# Altium PCB fullCURRENT smarts.PcbDoc (part 1 of 2) (continued)
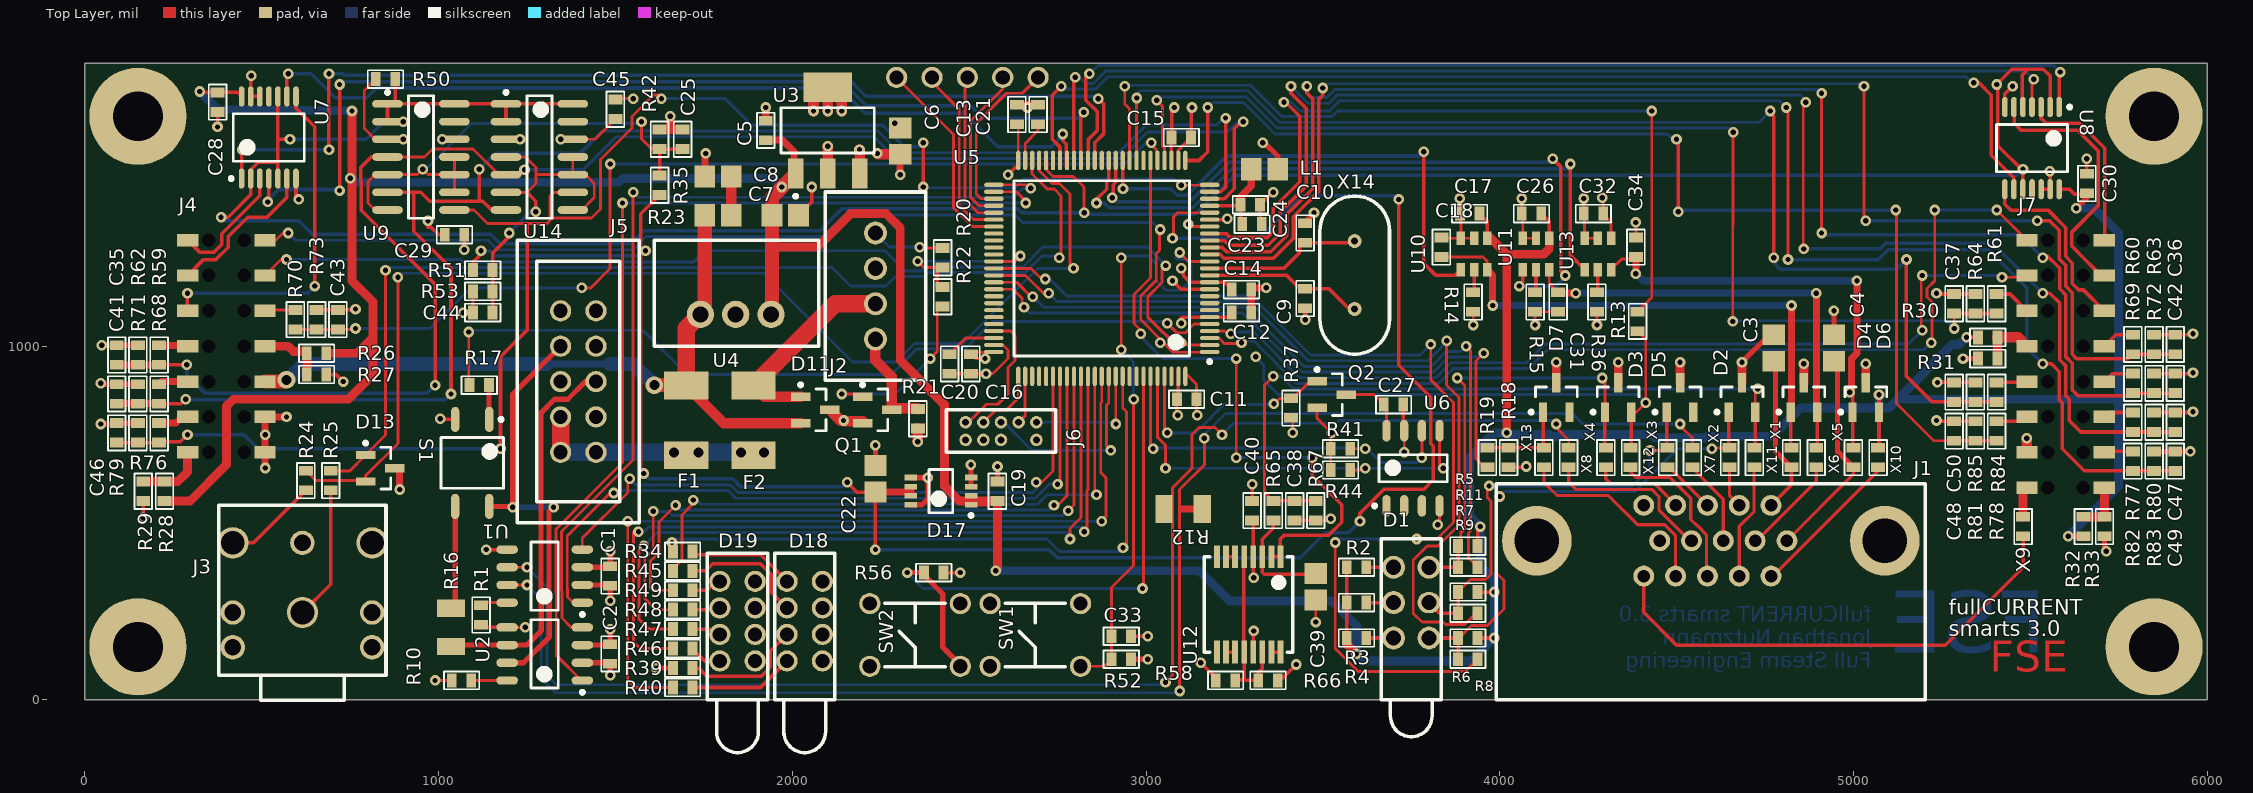
[diagram p0: Top Layer view]
## Components (designator, comment, footprint, x,y, rotation, side; value= is the part's Value field where it differs from the comment) (continued)
U4 "R-785.0-0.5" SIP3 1740,1090 r0 top
U5 "STM32F405VGT6" STM32F405VG 2875,1220 r180 top locked
U6 "MB85RC128PNF-G-JNE1" SOIC127P600X175-8N 3755,655 r90 top
U7 "74LVC08AT14-13" TSSOP-14-DIODES 520,1590 r90 top
U8 "74LVC08AT14-13" TSSOP-14-DIODES 5505,1560 r270 top
U9 "LM339" SOIC127P600X175-14N 950,1535 r0 top
U10 "NCP380HSNAJAAT1G" tsop-6 3965,1305 r180 top
U11 "NCP380HSNAJAAT1G" TSOP-6 4140,1305 r180 top
U12 "U_LTC6079CGN" SSOP-16 3380,405 r270 top
U13 "NCP380HSNAJAAT1G" TSOP-6 4315,1305 r180 top
U14 "LM339" SOIC127P600X175-14N 1285,1535 r0 top
X1 "0603" 0603_res 4825,685 r270 top
X2 "0603" 0603_res 4650,685 r270 top
X3 "0603" 0603_res 4475,685 r270 top
X4 "0603" 0603_res 4300,685 r270 top
X5 "0603" 0603_res 5000,685 r270 top
X6 "0603" 0603_res 4895,685 r270 top
X7 "0603" 0603_res 4545,685 r270 top
X8 "0603" 0603_res 4195,685 r270 top
X9 "0603" 0603_res 5480,490 r270 top
X10 "0603" 0603_res 5070,685 r270 top
X11 "0603" 0603_res 4720,685 r270 top
X12 "0603" 0603_res 4370,685 r270 top
X13 "0603" 0603_res 4125,685 r270 top
X14 "HC49" HC-49 3590,1105 r90 top

## Footprints (in the part's own frame and the unit in brackets; to place one, negate y for a bottom-side part, rotate by r counter-clockwise, add the part's x,y. Pads: shape width x height; smd on the part's side, far side on the other; paste and mask are expansions set on the pad)
4SOP-GULL [mm] "SOP, 4-Leads, Body 4.5x4.4mm (max), Pitch 2.45mm, IPC Medium Density"
  oval 1.8x0.6 smd: 1(-3.125,1.225) 2(-3.125,-1.225) 3(3.125,-1.225) 4(3.125,1.225)
  silkscreen extent -3.25,-2.25 1.83,2.25, body extent -2.2,-2.25 2.2,2.25, height 2.1
10PIN_2_.100IN [mil]
  round 60 hole 40.16: 1(0,0) 2(0,-100) 3(100,0) 4(100,-100) 5(200,0) 6(200,-100) 7(300,0) 8(300,-100) 9(400,0) 10(400,-100)
  silkscreen extent -200,-223 600,123, body extent -200,-240 600,133, height 364
0603_cap [mm]
  rect 0.7x1 smd: 1(-0.7,0) 2(0.7,0)
  silkscreen extent -1.27,-0.64 1.27,0.64, body extent -0.8,-0.4 0.8,0.4, height 0.3
0603_res [mm]
  rect 0.7x1 smd: 1(-0.7,0) 2(0.7,0)
  silkscreen extent -1.27,-0.64 1.27,0.64, body extent -0.8,-0.4 0.8,0.4, height 0.3
0805_Capacitor [mm] "0805 Capacitor"
  rect 1.5x1.6 smd: 1(-0.95,0) 2(0.95,0)
  body extent -1,-0.63 1,0.62, height 0.76
0805_Resistor [mm] "0805 Resistor"
  rect 1.5x1.6 smd: 1(-0.95,0) 2(0.95,0)
  body extent -1,-0.62 1,0.63, height 0.78
1206_Resistor [mm] "1206 Resistor/Capacitor"
  rect 1.25x2 smd: 1(-1.375,0) 2(1.375,0)
  body extent -1.6,-0.8 1.6,0.8, height 1
2410 [mm]
  rect 2x3.18 smd: 1(-2.5,0) 2(2.5,0)
0901361204 [mil]
  round 65 hole 43.31: 1(0,-150) 2(0,-50) 3(0,50) 4(0,150)
  silkscreen extent -142,-266 142,266, body extent -141,-266 142,266, height 430
CORTEX_DEBUG [mm]
  round 0.9 hole 0.5: 1(0,0) 2(0,1.27) 3(1.27,0) 4(1.27,1.27) 5(2.54,0) 6(2.54,1.27) 8(3.81,1.27) 9(5.08,0) 10(5.08,1.27)
  silkscreen extent -1.4,-0.89 6.48,2.16, body extent -0.69,-1.55 5.66,2.9, height 5.85
DB15HDF_RA [mm]
  round 5 hole 3.2: 0(0,0) 0(24.99,0)
  round 1.5 hole 0.9: 1(16.82,2.54) 2(14.535,2.54) 3(12.25,2.54) 4(9.965,2.54) 5(7.68,2.54) 6(17.962,0) 7(15.677,0) 8(13.392,0) 9(11.107,0) 10(8.822,0) 11(16.82,-2.54) 12(14.535,-2.54) 13(12.25,-2.54) 14(9.965,-2.54) 15(7.68,-2.54)
  silkscreen extent -2.91,-11.43 27.9,4.1
"DIALIGHT 564" [mil]
  round 65 hole 43: 1(0,0) 2(100,0) 4(100,-100) 5(0,-200) 6(100,-200)
  oval 65x60 hole 43: 3(0,-100)
  silkscreen extent -35,-280 135,279, body extent -35,-280 135,175, height 600
"DIALIGHT 568" [mil]
  round 60 hole 40: 1(0,0) 2(100,0) 3(0,-75) 4(100,-75) 5(0,-150) 6(100,-150) 7(0,-225) 8(100,-225)
  silkscreen extent -35,-305 135,259, body extent -35,-305 135,110, height 800
HC-49 [mm]
  round 1 hole 0.5: 1(0,0) 2(4.88,0)
  Top Layer pour cut-out: -2.591,1.499 -2.388,1.727 -2.235,1.854 -1.981,2.057 -1.727,2.184 -1.448,2.311 -1.067,2.388 -0.787,2.413 5.766,2.413 6.172,2.337 6.579,2.21 6.909,2.032 7.239,1.778 7.595,1.372 7.849,0.914 7.976,0.533 8.026,0.127 8.026,-0.178 7.95,-0.559 7.772,-0.991 7.569,-1.346 7.188,-1.778 6.858,-2.007 6.375,-2.235 6.02,-2.311 5.588,-2.362 -0.686,-2.362 -1.016,-2.337 -1.27,-2.286 -1.502,-2.216 -1.753,-2.108 -2.007,-1.981 -2.21,-1.829 -2.438,-1.6 -2.642,-1.346 -2.87,-1.016 -2.997,-0.66 -3.073,-0.279 -3.099,0.025 -3.073,0.33 -3.023,0.584 -2.946,0.889 -2.819,1.118 -2.718,1.295
  Bottom Layer pour cut-out: 7.518,1.499 7.315,1.727 7.163,1.854 6.909,2.057 6.655,2.184 6.375,2.311 5.994,2.388 5.715,2.413 -0.838,2.413 -1.245,2.337 -1.651,2.21 -1.981,2.032 -2.311,1.778 -2.667,1.372 -2.921,0.914 -3.048,0.533 -3.099,0.127 -3.099,-0.178 -3.023,-0.559 -2.845,-0.991 -2.642,-1.346 -2.261,-1.778 -1.93,-2.007 -1.448,-2.235 -1.092,-2.311 -0.66,-2.362 5.613,-2.362 5.944,-2.337 6.198,-2.286 6.43,-2.216 6.68,-2.108 6.934,-1.981 7.137,-1.829 7.366,-1.6 7.569,-1.346 7.798,-1.016 7.925,-0.66 8.001,-0.279 8.026,0.025 8.001,0.33 7.95,0.584 7.874,0.889 7.747,1.118 7.645,1.295
  silkscreen extent -3.23,-2.5 8.11,2.5, body extent -3.25,-1.78 8.1,1.87, height 3.3
HLE-107-02-X-DV [mil]
  round 30 hole 38 unplated: 0(-50,0) 0(-50,100) 0(-50,200) 0(-50,300) 0(-50,400) 0(-50,500) 0(-50,600) 0(50,0) 0(50,100) 0(50,200) 0(50,300) 0(50,400) 0(50,500) 0(50,600)
  rect 60x35 smd: 1(-109.5,600) 2(109.5,600) 3(-109.5,500) 4(109.5,500) 5(-109.5,400) 6(109.5,400) 7(-109.5,300) 8(109.5,300) 9(-109.5,200) 10(109.5,200) 11(-109.5,100) 12(109.5,100) 13(-109.5,0) 14(109.5,0)
  body extent -129,-50 131,650, height 142
HLE-108-02-X-DV [mil]
  round 30 hole 38 unplated: 0(-50,-100) 0(-50,0) 0(-50,100) 0(-50,200) 0(-50,300) 0(-50,400) 0(-50,500) 0(-50,600) 0(50,-100) 0(50,0) 0(50,100) 0(50,200) 0(50,300) 0(50,400) 0(50,500) 0(50,600)
  rect 60x35 smd: 1(-109.5,600) 2(109.5,600) 3(-109.5,500) 4(109.5,500) 5(-109.5,400) 6(109.5,400) 7(-109.5,300) 8(109.5,300) 9(-109.5,200) 10(109.5,200) 11(-109.5,100) 12(109.5,100) 13(-109.5,0) 14(109.5,0) 15(-109.5,-100) 16(109.5,-100)
  body extent -129,-50 131,650, height 142
SIP3 [mm]
  oval 1.95x1.96 hole 1.15: 1(0,0) 2(2.54,0) 3(5.08,0)
  silkscreen extent -3.3,-2.29 8.51,5.33
SJ1-3523N [mm]
  round 1.75 hole 1.2: 0(-5,2) 0(-5,4.5) 0(0,9.5) 0(5,2) 0(5,4.5)
  round 2.25 hole 1.7: GND(5,9.5) uRX(0,4.5) uTX(-5,9.5)
  silkscreen extent -6,-1.8 6,12.2
SOIC127P600X175-8N [mm] "SOIC, 8-Leads, Body 4.9x3.9mm (max), Pitch 1.27mm, IPC Medium Density"
  oval 1.55x0.6 smd: 1(-2.7,1.905) 2(-2.7,0.635) 3(-2.7,-0.635) 4(-2.7,-1.905) 5(2.7,-1.905) 6(2.7,-0.635) 7(2.7,0.635) 8(2.7,1.905)
  silkscreen extent -2.83,-2.45 0.97,2.88, body extent -3.02,-2.46 2.98,2.48, height 1.55
SOIC127P600X175-14N [mm] "SOIC, 14-Leads, Body 8.8x4.0mm (max), Pitch 1.27mm, IPC Medium Density"
  oval 2.2x0.55 smd: 1(-2.4,3.81) 2(-2.4,2.54) 3(-2.4,1.27) 4(-2.4,0) 5(-2.4,-1.27) 6(-2.4,-2.54) 7(-2.4,-3.81) 8(2.4,-3.81) 9(2.4,-2.54) 10(2.4,-1.27) 11(2.4,0) 12(2.4,1.27) 13(2.4,2.54) 14(2.4,3.81)
  silkscreen extent -2.52,-4.4 0.9,4.76, body extent -2.93,-4.28 2.87,4.27, height 1.75
SOT-23 [mm] "SOT23, 3-Leads, Body 3.0x2.7mm (max), Pitch 0.95mm, IPC Medium Density"
  rect 1.4x0.6 smd: 1(-1.05,0.95) 2(-1.05,-0.95) 3(1.05,0)
  silkscreen extent -1.17,-1.5 0.76,1.92, body extent -1.21,-1.1 0.99,1.1, height 1.1
SOT-223 [mm] "SOT-223/SC-73; 4 Leads; Body 6.7 x 7.3 mm, inc. leads (LxW max)"
  rect 1.1x2.15 smd: 1(-2.3,-3.1) 2(0,-3.1) 3(2.3,-3.1)
  rect 3.5x2.15 smd: 4(0,3.1)
  silkscreen extent -3.35,-4.85 3.35,1.63, body extent -3.25,-3.48 3.25,3.48, height 1.65
SSOP-16 [mm] "SSOP - 16 Pin"
  rect 1.63x0.42 smd: 1(0,0) 2(0,-0.65) 3(0,-1.3) 4(0,-1.95) 5(0,-2.6) 6(0,-3.25) 7(0,-3.9) 8(0,-4.55) 9(6.85,-4.55) 10(6.85,-3.9) 11(6.85,-3.25) 12(6.85,-2.6) 13(6.85,-1.95) 14(6.85,-1.3) 15(6.85,-0.65) 16(6.85,0)
  silkscreen extent 0,-5.46 6.86,0.89
STM32F405VG [mm] "TSQFP, 100-Leads, Body 16.2x16.2mm (max), Pitch 0.50mm, IPC Medium Density"
  oval 1.4x0.3 smd: 1(-7.75,6) 2(-7.75,5.5) 3(-7.75,5) 4(-7.75,4.5) 5(-7.75,4) 6(-7.75,3.5) 7(-7.75,3) 8(-7.75,2.5) 9(-7.75,2) 10(-7.75,1.5) 11(-7.75,1) 12(-7.75,0.5) 13(-7.75,0) 14(-7.75,-0.5) 15(-7.75,-1) 16(-7.75,-1.5) 17(-7.75,-2) 18(-7.75,-2.5) 19(-7.75,-3) 20(-7.75,-3.5) 21(-7.75,-4) 22(-7.75,-4.5) 23(-7.75,-5) 24(-7.75,-5.5) 25(-7.75,-6) 51(7.75,-6) 52(7.75,-5.5) 53(7.75,-5) 54(7.75,-4.5) 55(7.75,-4) 56(7.75,-3.5) 57(7.75,-3) 58(7.75,-2.5) 59(7.75,-2) 60(7.75,-1.5) 61(7.75,-1) 62(7.75,-0.5) 63(7.75,0) 64(7.75,0.5) 65(7.75,1) 66(7.75,1.5) 67(7.75,2) 68(7.75,2.5) 69(7.75,3) 70(7.75,3.5) 71(7.75,4) 72(7.75,4.5) 73(7.75,5) 74(7.75,5.5) 75(7.75,6)
  oval 0.3x1.4 smd: 26(-6,-7.75) 27(-5.5,-7.75) 28(-5,-7.75) 29(-4.5,-7.75) 30(-4,-7.75) 31(-3.5,-7.75) 32(-3,-7.75) 33(-2.5,-7.75) 34(-2,-7.75) 35(-1.5,-7.75) 36(-1,-7.75) 37(-0.5,-7.75) 38(0,-7.75) 39(0.5,-7.75) 40(1,-7.75) 41(1.5,-7.75) 42(2,-7.75) 43(2.5,-7.75) 44(3,-7.75) 45(3.5,-7.75) 46(4,-7.75) 47(4.5,-7.75) 48(5,-7.75) 49(5.5,-7.75) 50(6,-7.75) 76(6,7.75) 77(5.5,7.75) 78(5,7.75) 79(4.5,7.75) 80(4,7.75) 81(3.5,7.75) 82(3,7.75) 83(2.5,7.75) 84(2,7.75) 85(1.5,7.75) 86(1,7.75) 87(0.5,7.75) 88(0,7.75) 89(-0.5,7.75) 90(-1,7.75) 91(-1.5,7.75) 92(-2,7.75) 93(-2.5,7.75) 94(-3,7.75) 95(-3.5,7.75) 96(-4,7.75) 97(-4.5,7.75) 98(-5,7.75) 99(-5.5,7.75) 100(-6,7.75)
  silkscreen extent -7.88,-6.3 6.3,6.82, body extent -7,-7 7,7, height 1.6
TACT_SWITCH_6x6 [mil]
  round 60 hole 40: 1(0,0) 2(177.17,255.91) 3(177.17,0) 4(0,255.91)
  silkscreen extent -1,43 179,213, body extent -29,0 207,255, height 169
TSOP65P490X110-8N [mm] "TSOP, 8-Leads, Body 3.1x3.1mm (max), Pitch 0.65mm, IPC Medium Density"
  rect 0.889x0.42 smd: 1(-2.171,0.975) 2(-2.171,0.325) 3(-2.171,-0.325) 4(-2.171,-0.975) 5(2.17,-0.975) 6(2.17,-0.325) 7(2.17,0.325) 8(2.17,0.975)
  silkscreen extent -2.3,-1.55 0.85,1.86, body extent -1.55,-1.55 1.55,1.55, height 1.1
tsop-6 [mm]
  rect 0.6x0.95 smd: 1(0,0) 2(0.95,0) 3(1.9,0) 4(1.9,2.25) 5(0.95,2.25) 6(0,2.25)
TSOP-6 [mm]
  rect 0.6x0.95 smd: 1(0,0) 2(0.95,0) 3(1.9,0) 4(1.9,2.25) 5(0.95,2.25) 6(0,2.25)
TSSOP-14-DIODES [mm] "TSOP, 14-Leads, Body 5.1x4.5mm (max), Pitch 0.65mm, IPC Medium Density"
  oval 1.45x0.4 smd: 1(-2.95,1.95) 2(-2.95,1.3) 3(-2.95,0.65) 4(-2.95,0) 5(-2.95,-0.65) 6(-2.95,-1.3) 7(-2.95,-1.95) 8(2.95,-1.95) 9(2.95,-1.3) 10(2.95,-0.65) 11(2.95,0) 12(2.95,0.65) 13(2.95,1.3) 14(2.95,1.95)
  silkscreen extent -3.07,-2.55 1.7,2.82, body extent -3.2,-2.55 3.2,2.55, height 1.08

## Part data
C1 C2 C5 C17 C18 C26 C31 C32 C34: library part C_0603, "CAP CERM 0.1uF 0603 X7R"
C3 C4 C6 C7 C22: library part C_0805, "CAP CERM 0805"
C8: library part C_0805, "CAP CERM 10 uF 25V 0805"
C9 C10: library part C_0603, "CAP CER 22PF 50V 5% NPO 0603"
C11 C12 C13 C14 C15 C16 C19 C23 C25 C27 C28 C29 C30 C33 C35 C36 C37 C38 C40 C41 C42 C43 C44 C45 C46 C47 C48 C49 C50: library part C_0603, "CAP CER 0.1UF 25V X7R 0603"
C20 C21: library part C_0603, "CAP CER 2.2UF 10V 10% X7R 0603"
C24: library part C_0603, "CAP CER 1.0UF 25V 10% X7R 0603"
C39: library part C_0805, "CAP CER 10UF 10V 10% X5R 0805"
D1: "LED 3MM TRI-LEVEL HI-EFF BLUE"
D2 D3 D6 D7: library part D_TVS_5, "5.0V TVS SOT23"
D4 D5: library part D_TVS_3_3, "5.0V TVS SOT23"
D11: library part D_TVS_12V
D13: library part D_TVS_5, "3.3V TVS SOT23"
D17: library part D_LTC6655BHMS8-3.3#PBF, "IC VREF SERIES PREC 2.5V 8-MSOP"
D18: "LED 4HI 3MM GRN/YEL/GRN/YEL PCMT"
D19: "LED 4HI 3MM 5V RED PC MNT"
F1 F2: "FUSE 2410"
J1: library part J_DB15_HD_F_RA_MOTOR
J2: "4 Wire Fan Connector"
J3: "CONN JACK STEREO R/A 3PIN 3.5MM"
J4: "7 x 2 0.1\" Header"
J5: "5 x 2 0.1\" Header"
J6: "CORTEX JTAG DEBUG CONNECTOR"
J7: "8 x 2 0.1\" Header"
L1: library part L_1mH_10%, "FERRITE 0603"
Q1: "MOSFET N-CH 20V 4.1A SOT-23"
Q2: library part Q_FDN302P, "MOSFET P-CH 20V 2.4A SSOT3"
R1 R10 R37 R50 R65: library part R_0603, "RES 10K 0603 1%"
R2 R3 R4 R34 R39 R40 R45 R46 R47 R48 R49: library part R_0603, "RES 300 0603 1%"
R5 R6 R7 R8 R9 R11 R19: library part R_0603, "RES 1K 0603 1%"
R12 R16: library part R_1206, "RES 120 1206 1%"
R13 R20 R22 R24 R25 R59 R60 R61 R68 R69 R70 R76 R77 R78 R82 R84: library part R_0603, "RES 100 0603 1%"
R14 R15 R26 R27 R28 R29 R30 R31 R32 R33 R36: library part R_0603
R17: library part R_0603, "RES 220 0603 1%"
R18 R52 R56 R58 R66: library part R_0603, "RES 100K 0603 1%"
R21: library part R_0603, "RES DNP 0603 1%"
R23: "RES 1 OHM 1/8W 1% 0805 SMD"
R35 R42 R51 R53: library part R_0603, "RES DNP 0603 0.1%"
R41 R44: library part R_0603, "RES 5.1K 1% 0603"
R62 R63 R64 R71 R72 R73 R79 R80 R81 R83 R85: library part R_0603, "RES 0603 DNP"
R67: library part R_0603, "RES 8.2K 1% 0603"
S1: "SSR OCMOS FET 120MA 1CH NO 4-SOP"
SW1 SW2: "SWITCH TACTILE SPST-NO 0.05A 12V"
U1 U2: "IC 3.3V CAN TXRX 8-SOIC"
U3: "IC REG LDO 3.3V .4A SOT223"
U4: library part U_R-783.3-0.5, "IC REG 0.5A 5.0V"
U5: library part U_STM32F405VGT6, "IC MCU 32BIT 1MB FLASH 100LQFP"
U6: library part U_MB85RC16PNF-G-JNE1, "IC FRAM 128KBIT 400KHZ 8SOP"
U7 U8: library part U_74LVC08AT14-13, "IC QUAD 2-IN AND GATE 14TSSOP"
U10 U11 U13: library part U_NCP380HSNAJAAT1G, "IC CURRENT LIMIT SWITCH 6-TSOP"
U12: "IC OP AMP QUAD R-R I/O 16SSOP"
X1 X2 X3 X4 X5 X6 X7 X8 X9 X10 X11 X12 X13: library part X_0603_FERRITE, "FERRITE 0603"
X14: library part X_HC49, "CRYSTAL 8.0 MHZ 20PF"

## Free pads (board coordinates)
  round 275 hole 141: 0(150,150) 0(150,1650) 0(5850,150) 0(5850,1650)
  round 60 hole 40.16: 0(2295,1760) 0(2395,1760) 0(2495,1760) 0(2595,1760) 0(2695,1760)

## Via types
v1: diameter 30, hole 15, Top Layer to Bottom Layer, 319 vias
v2: diameter 50, hole 28, Top Layer to Bottom Layer, 6 vias

## Nets (pads, with @x,y where several pads share a name; then routed paths per layer and width w, separated by ;. In a path a pad name is that pad's centre, name@x,y a point inside that pad or via, vN(x,y) a via of type N, cw(c..) or ccw(c..) an arc to the next point about the centre after c; other vN are vias at no path point)
+2.5VREF: C22.1 D17.6 D17.7 R35.1 R51.1 U5.21 | length 5682.8
  Top Layer w8: v1(3075,1305) 3078,1308 3078,1366.18 3089.3,1377.48 U5.21@3160.43,1377.48
  Top Layer w10: R51.1@1097.44,1215 1097.44,1237.44 1120,1260 v1(1120,1270) ; v1(1580,640) 1572,640 1572,1374.44 R35.1@1625,1427.44 ; v1(2155,615) 2182.4,587.6 C22.1@2235,587.6 v1(2235,425) ; v1(3605,505) 3605,527.49 3672.51,595 3785,595 3812,622 3812,717.7 3805.19,724.51 3805.19,855.77 3715,945.96 v1(3715,1415)
  Top Layer w20: C22.1@2235,587.6 2332.4,587.6 ; D17.7@2335,585 D17.6@2335,595
  Bottom Layer w10: v1(1120,1270) 1145.47,1270 1160,1255.47 1570.47,1255.47 v1(1585,1270) ; v1(1580,640) 1595,625 1831.67,625 1853.67,603 2143,603 v1(2155,615) ; v1(2235,425) 2725.96,425 2748.96,402 3436,402 3507,473 3573,473 v1(3605,505) ; v1(3075,1305) 3320,1305 3440,1425 3705,1425 v1(3715,1415)
+3.3MOT_FAULT: U5.37 U13.4 | length 1851.7
  Top Layer w10: v1(2860,1405) 2860,1415 2889,1444 2889,1464.05 2894.69,1469.74 U5.37@2894.69,1525.12 ; v1(4200,1515) 4200,1256.61 U13.4@4240.2,1216.42
  Bottom Layer w10: v1(2860,1405) 2880.4,1405 2894.4,1391 3131.91,1391 3242.61,1501.7 4195,1501.7 4200,1506.7 v1(4200,1515)
+3.3V: C1.2 C2.2 C6.2 C11.2 C12.2 C13.2 C14.2 C15.2 C16.2 C29.2 C32.2 C40.2 C45.2 J6.1 L1.1 Q2.2 R18.2 R27.1 R29.1 R31.1 R33.1 R39.1 R41.1 R44.1 R50.1 R52.1 R58.1 SW2.2 U1.3 U2.3 U3.3 U5.6 U5.11 U5.19 U5.28 U5.50 U5.75 U5.100 U9.3 U12.4 U13.1 U14.3 | length 2740.3
  Top Layer w8: R50.1@822.44,1755 790,1722.56 790,1615 820,1585 U9.3@855.51,1585 v1(900,1585) ; U14.3@1190.51,1585 v1(1230,1585) ; C45.2@1500,1697.56 1500,1700 v1(1550,1700) ; C16.2@2505,977.56 2511.22,983.78 2518.04,983.78 2518.82,983 U5.75@2545,983 ; C16.2@2517.56,965 v1(2545,965) U5.75@2545,983 ; U5.75@2589.57,983.78 2588.79,983 U5.75@2545,983 ; C13.2@2635,1632.44 2638.78,1628.66 U5.50@2638.78,1525.12 ; U5.100@3111.22,934.57 3111.22,923.78 3142.56,892.44 C11.2@3142.56,850 3142.56,807.44 v1(3145,805) ; v1(3120,1345) 3126.89,1338.11 U5.19@3180.12,1338.11 ; Q2.2@3483.66,825.6 3483.66,796.34 v1(3525,755) 3522.44,752.44 R41.1@3522.44,710 R44.1@3522.44,650 ; v1@4292.56,1412.56 C32.2@4292.56,1375 4315,1352.56 U13.1@4315,1305
  Top Layer w10: v1(165,515) R29.1@165,562.44 ; R27.1@682.56,920 710,920 v1(730,900) ; v1(970,1355) 970,1337 978,1337 1000,1315 C29.2@1017.44,1315 ; v1(2610,1485) 2630.43,1505.43 U5.50@2638.78,1505.43 ; U5.28@3071.85,1505.43 U5.28@3071.85,1525.12 3071.85,1589.41 C15.2@3072.44,1590 3072.44,1677.44 3075,1680 v1(3080,1675) ; v1(3100,1065) 3100,1080 3102.2,1082.2 U5.6@3180.12,1082.2 3229.65,1082.2 C12.2@3242.44,1095 ; v1(3100,1220) 3105,1215 3105,1200 3124.37,1180.63 U5.11@3180.12,1180.63 3221.81,1180.63 C14.2@3242.44,1160 ; v1(3155,105) 3205,55 R58.1@3197.44,55 ; C40.2@3300,507.44 3303.23,504.21 U12.4@3303.23,405 3303.23,346.77 v1(3305,345) ; R18.2@4025,657.44 4072.44,657.44 v1(4075,660)
  Top Layer w15: U2.3@1406.3,155 C2.2@1482.44,155 ; U1.3@1406.3,375 C1.2@1482.44,375 ; C2.2@1485,157.56 v1(1485,200) ; C1.2@1485,377.56 v1(1485,420) ; v1(1615,90) R39.1@1662.44,90 ; R52.1@2957.56,115 v1(3005,115) ; v1(3330,1575) 3335,1575 3372.4,1537.6 L1.1@3372.4,1500 ; v1(5310,965) R31.1@5352.44,965 ; R33.1@5710,462.44 5710,425 v1(5715,420)
  Top Layer w30: v1(2190,1555) 2190.55,1554.45 U3.3@2190.55,1487.95
  other v1: 4290,1420 2290,1630
+3.3V_FRAM: C27.1 Q2.3 U6.8 | length 194.5
  Top Layer w8: Q2.3@3566.34,863 3644.44,863 C27.1@3672.44,835 3680,827.44 U6.8@3680,761.3
+3.3V_MOT: C34.2 D6.1 U13.6 X5.1 | length 1250.5
  Top Layer w8: U13.6@4315,1216.42 4345,1246.42 4378.98,1246.42 C34.2@4385,1252.44
  Top Layer w10: v1(4990,870) 4997.6,862.4 D6.1@4997.6,813.66 4997.6,714.96 X5.1@5000,712.56
  Top Layer w20: v1(4385,1205) C34.2@4385,1252.44 ; v1(4990,870) 4994.5,874.5 4994.5,964.5 5010,980 v1(5010,1185)
  Bottom Layer w20: v1(4385,1205) 4405,1185 v1(5010,1185)
+5HALL_FAULT: U5.35 U10.4 | length 1430.4
  Top Layer w10: U5.35@2934.06,1525.12 2934.06,1455.94 2935,1455 v1(2935,1445) ; v1(3785,1550) 3785,1235 3820,1200 3873.78,1200 U10.4@3890.2,1216.42
  Bottom Layer w10: v1(2935,1445) 3070.4,1445 3088.4,1427 3117,1427 3227.7,1537.7 3772.7,1537.7 v1(3785,1550)
+5MOT_FAULT: U5.36 U11.4 | length 1969.2
  Top Layer w10: v1(2905,1420) 2905,1410 2907,1412 2907,1456.6 2914.37,1463.97 U5.36@2914.37,1525.12 ; v1(4055.5,1170) 4055,1170 4065.2,1180.2 U11.4@4065.2,1216.42 ; v1(4150,1530) 4172,1508 4172,1213 v1(4185,1200)
  Bottom Layer w10: v1(2905,1420) 2916,1409 3124.46,1409 3235.16,1519.7 4139.7,1519.7 v1(4150,1530) ; v1(4055.5,1170) 4160,1170 4185,1195 v1(4185,1200)
+5V: C5.2 C7.2 C17.2 C19.1 C26.2 C28.2 C30.2 D6.2 D17.1 D17.2 R2.2 R3.2 R4.2 R5.1 R6.1 R7.1 R26.1 R28.1 R30.1 R32.1 U3.1 U4.3 U7.14 U8.14 U10.1 U11.1 X10.1 | length 12879.7
  Top Layer w10: v1(325,1720) 327.44,1717.56 C28.2@375,1717.56 431.81,1717.56 U7.14@443.23,1706.14 ; D17.1@2505.45,551.61 2551.61,551.61 C19.1@2562.44,562.44 ; 2505.45,562.44 D17.2@2505.45,577.2 ; R4.2@3567.44,175 R3.2@3567.44,275 R2.2@3567.44,375 ; R6.1@3937.56,175 v1(3985,175) ; R7.1@3937.56,305 v1(3985,305) ; R5.1@3937.56,435 3937.56,482.56 v1(3945,490) ; C17.2@3942.56,1375 3965,1352.56 U10.1@3965,1305 ; C26.2@4117.56,1375 4140,1352.56 U11.1@4140,1305 ; X10.1@5070,712.56 5072.4,714.96 D6.2@5072.4,813.66 v1(5072.4,862.4) ; v1(5320,1025) R30.1@5352.44,1025 ; U8.14@5581.77,1443.86 5611.14,1443.86 5625,1430 5657.56,1430 C30.2@5660,1432.44
  Top Layer w15: v1(5607.44,462.44) R32.1@5650,462.44 ; v1(5630,1390) 5660,1420 C30.2@5660,1432.44
  Top Layer w20: C5.2@1925,1582.44 1972.56,1582.44 2005,1550 2005,1492.4 U3.1@2009.45,1487.95
  Top Layer w25: R28.1@225,562.44 297.44,562.44 400,665 400,830 420,850 745,850 815,920 815,1025 ; R26.1@682.56,980 770,980 815,1025 ; v1(755,1665) 755,1455.2 755.5,1454.7 755.5,1425.3 755,1424.8 755,1185 815,1125 815,1025 ; 1942.6,1280 2070,1280 2165,1375 2265,1375 2305,1335 2305,960 2430,835 2430,605 2472.56,562.44 2505.45,562.44 2562.44,562.44 C19.1@2580,562.44 2580,370 v1(2575,365) ; R4.2@3567.44,175 3567.44,157.56 v1(3595,130) ; U10.1@3965,1305 3975,1305 4020,1260 ; v1(4020,755) 4020,1260 ; U11.1@4140,1305 4140,1275 4125,1260 4020,1260
  Top Layer w40: U4.3@1940,1090 1942.6,1092.6 1942.6,1280 C7.2@1942.6,1370 1942.6,1421.1 U3.1@2009.45,1487.95
  Bottom Layer w25: v1(325,1720) 375,1670 v1(755,1665) ; v1(750,1475) 758.61,1464.67 771.5,1463.5 1509,1463.5 1520,1474.5 1945.5,1474.5 v1(1970,1450) ; v1(2575,365) 3150,365 3235,280 3525,280 3595,210 v1(3595,130) 3615,110 3920,110 v1(3985,175) v1(3985,305) 3985,340 3945,380 v1(3945,490) 3915,520 3915,685 3985,755 v1(4020,755) ; v1@4020,750 4139.8,750 4145.3,744.5 4174.7,744.5 4180.2,750 4430.2,750 4440.2,740 4579.8,740 4585.3,745.5 4770.5,745.5 4850,825 5100,825 5125,850 ; 5072.4,827.4 v1(5072.4,862.4) ; v1(5320,1025) 5300,1005 5280,1005 5125,850 ; v1(5607.44,462.44) 5750,605 5750,1320 5680,1390 v1(5630,1390) ; 5748.5,850 5125,850
+5V_HALLS: C18.2 D4.1 U10.6 X1.1 | length 1533.5
  Top Layer w8: C18.2@3835,1252.44 3952.56,1252.44 3965,1240 U10.6@3965,1216.42
  Top Layer w10: X1.1@4822.6,714.96 D4.1@4822.6,813.66
  Top Layer w20: U10.6@3965,1216.42 3980,1201.42 v1(3980,1115) ; D4.1@4822.6,813.66 4824.5,815.56 4824.5,1119.5 4825,1118.99 v1(4825,1115)
  Bottom Layer w8: v1@3975,1115 v1@3980,1110
  Bottom Layer w20: v1@3975,1115 v1(3980,1115) v1(4825,1115)
+5V_MOT: C31.2 D4.2 U11.6 X6.1 | length 1246.7
  Top Layer w8: U11.6@4140,1216.42 4140,1177.56 C31.2@4165,1152.56
  Top Layer w10: X6.1@4897.4,714.96 D4.2@4897.4,813.66
  Top Layer w20: C31.2@4167.56,1150 v1(4215,1150) ; v1(4895,1150) 4895,1153.99 4895.5,1154.5 4895.5,815.56 D4.2@4897.4,813.66
  Bottom Layer w20: v1(4215,1150) v1(4895,1150)
+VCAN: D11.2 F1.2 J4.10 R23.1 U4.1 | length 2105.3
  Top Layer w30: F1.2@1700,888.43 1805.83,782.6 D11.2@2023.66,782.6
  Top Layer w40: J4.10@509.5,900 565,900 v2(570,905) ; v2(1610,890) F1.2@1698.43,890 ; U4.1@1740,1090 1752.6,1102.6 R23.1@1752.6,1370
  Top Layer w50: F1.2@1700,888.43 1700,1050 U4.1@1740,1090
  Bottom Layer w20: 1305,950 1485,950
  Bottom Layer w40: v2(570,905) 575,905 620,950 1305,950 ; 1485,950 1550,950 v2(1610,890)
+VCAN_FAN: D11.1 F2.2 J2.2 | length 567.4
  Top Layer w30: F2.2@1890,888.43 1921.02,857.4 D11.1@2023.66,857.4
  Top Layer w50: F2.2@1890,888.43 2121.57,1120 J2.2@2215,1120
+VCAN_UF: F1.1 F2.1 J5.1 J5.2 J5.3 | length 675
  Top Layer w50: J5.1@1345,700 J5.3@1345,800
  Bottom Layer w50: J5.1@1345,700 J5.2@1445,700 v2(1665,700) v2(1735,700) v2(1855,700) v2(1920,700)
+VCC_ISENSE: J4.13 R28.2 R29.2 | length 191.6
  Top Layer w25: R29.2@165,617.56 R28.2@225,617.56 262.56,617.56 290.5,645.5 J4.13@290.5,700
+VCC_TEMP: J7.7 R30.2 R31.2 | length 153.3
  Top Layer w25: R31.2@5407.56,965 R30.2@5407.56,1025
  Top Layer w30: R30.2@5407.56,1025 5465.5,1025 J7.7@5490.5,1000
+VCC_TEMPN: J4.8 R26.2 R27.2 | length 186.2
  Top Layer w25: J4.8@509.5,1000 575,1000 590,985 622.44,985 R26.2@627.44,980 R27.2@627.44,920
+VCC_VSENSE: J7.16 R32.2 R33.2 | length 142.6
  Top Layer w25: R32.2@5650,517.56 R33.2@5710,517.56 5710,599.5 J7.16@5709.5,600
BL_EN: R56.1 SW2.1 U5.94 | length 1653.7
  Top Layer w8: v1(2990,315) 2993.11,318.11 2993.11,698.71 2993,698.82 2993,934.46 U5.94@2993.11,934.57
  Top Layer w15: v1(2325,360) 2365,360 2425,300 2425,150 SW2.1@2477.5,97.5
  Bottom Layer w8: v1(2325,360) 2370,315 v1(2990,315)
CAN_LED: R40.1 U5.88 | length 2367.7
  Top Layer w8: v1(1535,505) 1535,55 1555,35 R40.1@1662.44,35 ; v1(2875,505) 2887,517 2887,628 2872,643 2872,839.63 2875,842.63 U5.88@2875,934.57
  Bottom Layer w8: v1(1535,505) v1(2875,505)
DBUG_RX: D13.1 R25.2 U5.48 | length 2956
  Top Layer w8: R25.2@695,647.56 748.82,647.56 D13.1@793.66,692.4 850,748.74 v1(850,1215) ; U5.48@2678.15,1525.12 2678.15,1486.85 2721,1444 2741,1444 2760,1425 v1@2760,1255
  Bottom Layer w8: v1(850,1215) 857.47,1222.47 2112.53,1222.47 2165,1170 2265,1170 2292,1197 2372.81,1197 2383.81,1208 2658.81,1208 2705.81,1255 2760,1255 v1(2755,1250)
DBUG_TX: D13.2 R24.2 U5.47 | length 3279.2
  Top Layer w8: R24.2@625,647.56 652.56,620 D13.2@791.26,620 ; D13.2@793.66,617.6 793.66,633.66 885,725 v1(885,1195) ; U5.47@2697.83,1525.12 2697.83,1496.3 2734.13,1460 2755,1460 2785,1430 2785,1230 v1(2795,1220)
  Bottom Layer w8: v1(885,1195) 896.47,1206.47 1918.53,1206.47 2170,955 2292.37,955 2345.37,1008 2481.44,1008 2693.44,1220 v1(2795,1220)
FAN: R20.2 R22.2 U5.62 | length 475.1
  Top Layer w8: v1(2355,1240) 2372.56,1222.44 R20.2@2410,1222.44 ; U5.62@2589.57,1239.68 2629.68,1239.68 v1(2645,1255)
  Top Layer w10: R22.2@2410,1167.56 R20.2@2410,1222.44
  Bottom Layer w8: v1(2355,1240) 2630,1240 v1(2645,1255)
FRAM_PWR: Q2.1 R37.1 U5.97 | length 666.7
  Top Layer w8: U5.97@3052.17,914.88 3052.17,757.83 3055,755 v1(3060,755) ; v1(3361.63,837) 3377.19,852.56 3415,852.56 3462.84,900.4 Q2.1@3483.66,900.4
  Bottom Layer w8: v1(3060,755) 3140,755 3220,835 3370,835 3368,837 v1(3361.63,837)
GCANH: J5.5
GCANL: J5.4
GEN_ERROR_LED: R49.1 U5.83 | length 1797.6
  Top Layer w8: R49.1@1662.44,310 1605,310 1599,316 1599,393.19 1623,417.19 1623,503 v1(1670,550) ; v1(2740,550) 2750,550 2777,577 2777,934.14 U5.83@2776.57,934.57
  Bottom Layer w8: v1(1670,550) 1683,537 2727,537